# Altium PCB RUMBA_plus.PcbDoc (part 1 of 3) (continued)
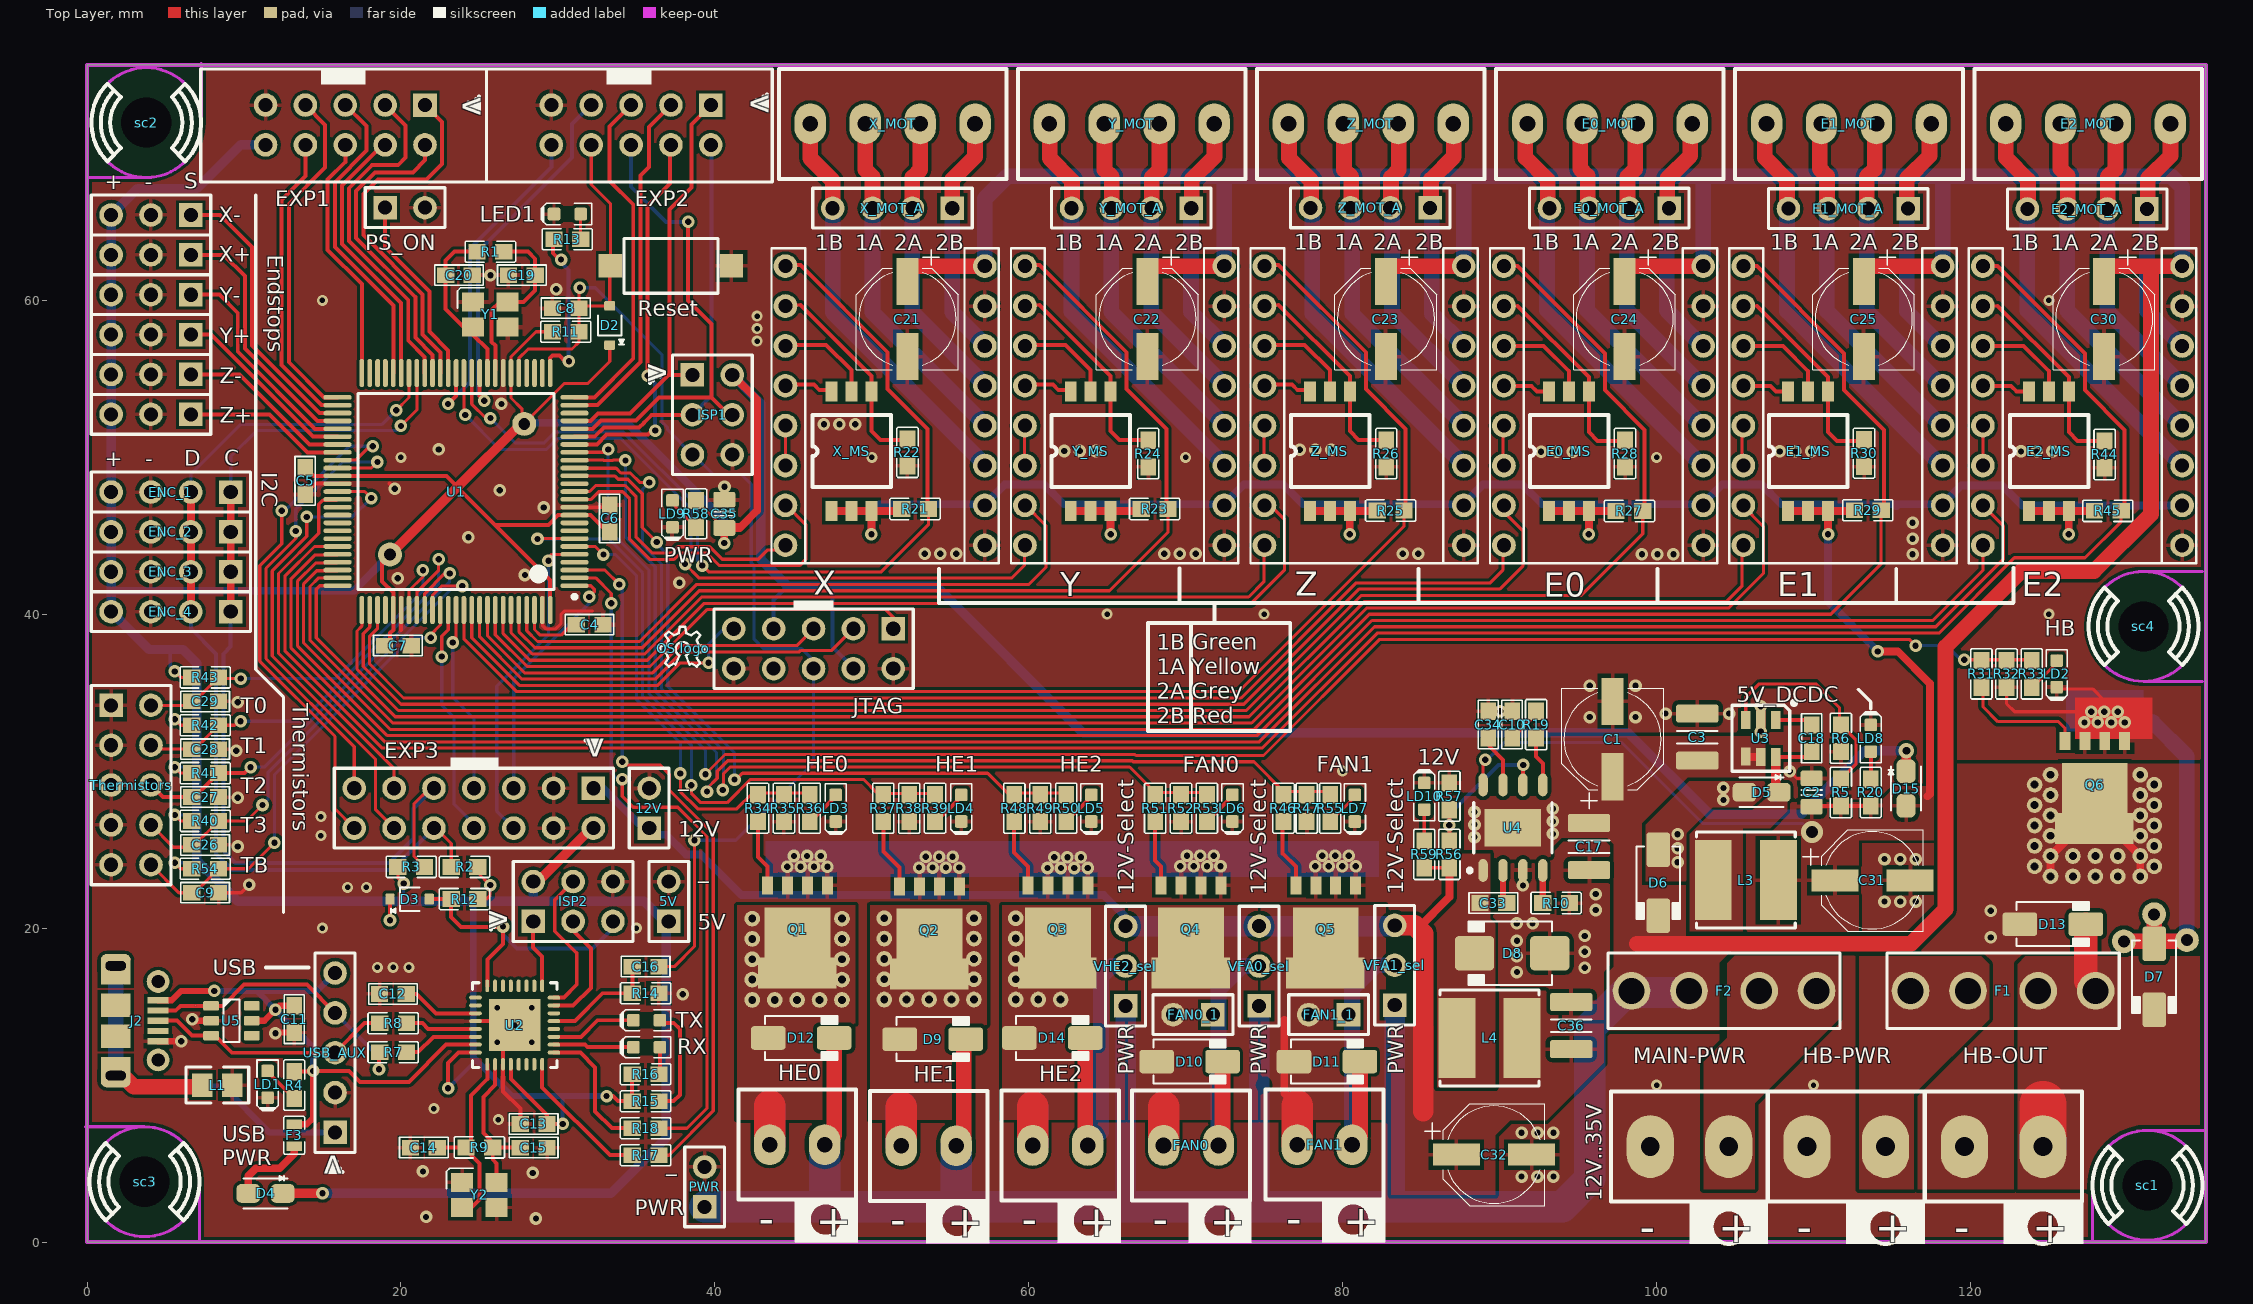
[diagram p0: Top Layer view]
## Components (designator, comment, footprint, x,y, rotation, side; value= is the part's Value field where it differs from the comment) (continued)
X "A4988BREAKOUT" A4988BREAKOUT 44.499,62.176 r270 top
X+ "Header 3" HDR1X3 6.612,62.898 r180 top
X- "Header 3" HDR1X3 6.612,65.438 r180 top
X_MOT "" "TERM4 3.5MM" 46.081,71.244 r0 top
X_MOT_A "Header 4" HDR1X4 55.126,65.87 r180 top
X_MS "SW DIP-3" "DIPSW SO6" 47.436,46.584 r90 top
Y "A4988BREAKOUT" A4988BREAKOUT 59.757,62.176 r270 top
Y1 "16MHz" "3525 SMD CRYSTAL" 25.7,59.1 r0 top
Y2 "16MHz" "3525 SMD CRYSTAL" 25,3 r0 top
Y+ "Header 3" HDR1X3 6.612,57.818 r180 top
Y- "Header 3" HDR1X3 6.612,60.358 r180 top
Y_MOT "" "TERM4 3.5MM" 61.313,71.244 r0 top
Y_MOT_A "Header 4" HDR1X4 70.35,65.87 r180 top
Y_MS "SW DIP-3" "DIPSW SO6" 62.676,46.584 r90 top
Z "A4988BREAKOUT" A4988BREAKOUT 75.016,62.176 r270 top
Z+ "Header 3" HDR1X3 6.612,52.738 r180 top
Z- "Header 3" HDR1X3 6.612,55.278 r180 top
Z_MOT "" "TERM4 3.5MM" 76.546,71.244 r0 top
Z_MOT_A "Header 4" HDR1X4 85.574,65.895 r180 top
Z_MS "SW DIP-3" "DIPSW SO6" 77.916,46.584 r90 top

## Footprints (in the part's own frame and the unit in brackets; to place one, negate y for a bottom-side part, rotate by r counter-clockwise, add the part's x,y. Pads: shape width x height; smd on the part's side, far side on the other; paste and mask are expansions set on the pad)
32M1-A_N [mm] "QFN, 32-Leads, Body 5x5mm, Pitch 0.5mm, Thermal Pad 3.3x3.3mm, IPC Medium Density"
  oval 0.8x0.25 smd: 1(-2.5,1.75) 2(-2.5,1.25) 3(-2.5,0.75) 4(-2.5,0.25) 5(-2.5,-0.25) 6(-2.5,-0.75) 7(-2.5,-1.25) 8(-2.5,-1.75) 17(2.5,-1.75) 18(2.5,-1.25) 19(2.5,-0.75) 20(2.5,-0.25) 21(2.5,0.25) 22(2.5,0.75) 23(2.5,1.25) 24(2.5,1.75)
  oval 0.25x0.8 smd: 9(-1.75,-2.5) 10(-1.25,-2.5) 11(-0.75,-2.5) 12(-0.25,-2.5) 13(0.25,-2.5) 14(0.75,-2.5) 15(1.25,-2.5) 16(1.75,-2.5) 25(1.75,2.5) 26(1.25,2.5) 27(0.75,2.5) 28(0.25,2.5) 29(-0.25,2.5) 30(-0.75,2.5) 31(-1.25,2.5) 32(-1.75,2.5)
  rect 3.3x3.3 smd: 33(0,0)
  silkscreen extent -2.7,-2.7 2.7,2.7, body extent -2.55,-2.55 2.55,2.55, height 1
"3525 SMD CRYSTAL" [mm]
  rect 1.4x1.2 smd: 1(-1.1,-0.8) 2(1.1,-0.8) 3(1.1,0.8) 4(-1.1,0.8)
  silkscreen extent -2.1,0.4 -0.4,1.7, body extent -1.6,-1.24 1.6,1.24, height 0.8
A4988BREAKOUT [mm]
  round 1.51 hole 0.9: 1(0,0) 2(2.54,0) 3(5.08,0) 4(7.62,0) 5(10.16,0) 6(12.7,0) 7(15.24,0) 8(17.78,0) 9(17.78,12.7) 10(15.24,12.7) 11(12.7,12.7) 12(10.16,12.7) 13(7.62,12.7) 14(5.08,12.7) 15(2.54,12.7) 16(0,12.7)
  silkscreen extent -1.14,-0.89 18.92,13.59, body extent -1.67,-1.27 19.45,13.97, height 8.5
"CAP 1608-0603" [mm]
  rect 1.1x1 smd: 1(-0.85,0) 2(0.85,0)
  silkscreen extent -1.55,-0.65 1.55,0.65, body extent -0.8,-0.4 0.8,0.4, height 0.4
"Cap 1608-0603" [mm]
  rect 1.1x1 smd: 1(-0.85,0) 2(0.85,0)
  silkscreen extent -1.55,-0.65 1.55,0.65, body extent -0.8,-0.4 0.8,0.4, height 0.4
"CAP 3225-1210" [mm] "Chip Capacitor, Body 3.2x2.5mm, EIA 1210, IPC Medium Density"
  round 0.508 on Mech15: 0(0,0)
  rrect25% 1.15x2.7 smd: 1(-1.5,0) 2(1.5,0)
  silkscreen extent -0.4,-1.3 0.4,1.3, body extent -1.8,-1.4 1.8,1.4, height 2.19
"CAP EL PANASONIC" [mil]
  rect 55x118 smd: 1(0,190.97) 2(0,1.97)
  silkscreen extent -128,-31 127,271, body extent -134,-57 134,250, height 217
CAPC2012X135N [mm] "Chip Capacitor, Body 2.0x1.2mm, EIA 0805, IPC Medium Density"
  round 0.254 on Mech15: 0(0,0)
  rrect25% 1x1.4 smd: 1(-0.9,0) 2(0.9,0)
  Top Layer pour cut-out: -0.675,0.7 -0.475,0.9 0.475,0.9 0.675,0.7 0.675,-0.7 0.475,-0.9 -0.475,-0.9 -0.675,-0.7
  silkscreen extent -0.15,-0.65 0.15,0.65, body extent -1.1,-0.72 1.1,0.73, height 1.34
DIOM2616X08N [mm] "Molded Diode, 2-Leads, Body 2.60x1.60mm, IPC Medium Density"
  rrect50% 1.5x1.2 smd: A(1.1,0) K(-1.1,0)
  silkscreen extent -1.4,-1.11 1.4,0.95, body extent -1.35,-0.85 1.35,0.85, height 0.85
"DIPSW SO6" [mil]
  rect 50x30 smd: 1(0,0) 2(0,-50) 3(0,-100) 4(300,-100) 5(300,-50) 6(300,0)
  silkscreen extent 60,-149 240,48, body extent 19,-148 283,50, height 60
DO-214AA [mm] "JEDEC DO214 variation AA. SMB"
  round 0.508 on Mech15: 0(0,0)
  rrect25% 2.5x2.2 smd: A(-2.4,0) K(2.4,0)
  silkscreen extent -2.54,-2.03 2.79,2.03, body extent -2.8,-1.97 2.8,1.98, height 2.62
DO-214AC [mm] "JEDEC DO214 variation AC. SMA"
  round 0.508 on Mech15: 0(0,0)
  rrect25% 2.2x1.5 smd: A(-2.1,0) K(2.1,0)
  silkscreen extent -2.3,-1.4 2.3,1.4, body extent -2.6,-1.3 2.6,1.3, height 2.42
"FUSEHOLDER - BK-6013 - MINI ATC ATO BLADE 15A" [mm]
  round 2.4 hole 1.65: 0(-5.895,0) 0(-2.235,0) 1(2.235,0) 1(5.895,0)
  silkscreen extent -7.4,-2.4 7.4,2.4, body extent -7.4,-2.4 7.4,2.4, height 17.8
HDR1X2 [mm]
  rect 1.5x1.5 hole 0.9: 1(0,0)
  round 1.5 hole 0.9: 2(2.54,0)
  silkscreen extent -1.27,-1.27 3.81,1.27, body extent -1.27,-1.27 3.81,1.27, height 8.6
HDR1X3 [mm]
  rect 1.5x1.5 hole 0.9: 1(0,0)
  round 1.5 hole 0.9: 2(2.54,0) 3(5.08,0)
  silkscreen extent -1.27,-1.27 6.35,1.27, body extent -1.27,-1.27 6.35,1.27, height 8.6
HDR1X4 [mm]
  rect 1.5x1.5 hole 0.9: 1(0,0)
  round 1.5 hole 0.9: 2(2.54,0) 3(5.08,0) 4(7.62,0)
  silkscreen extent -1.27,-1.27 8.89,1.27, body extent -1.27,-1.27 8.89,1.27, height 8.6
HDR1X5-HEADER [mm]
  rect 1.5x1.5 hole 0.9: 1(0,0)
  round 1.5 hole 0.9: 2(2.54,0) 3(5.08,0) 4(7.62,0) 5(10.16,0)
  silkscreen extent -1.27,-1.27 11.43,1.27, body extent -1.27,-1.27 11.43,1.27, height 8.6
HDR2X3 [mm]
  rect 1.5x1.5 hole 0.9: 1(0,0)
  round 1.5 hole 0.9: 2(0,2.54) 3(2.54,0) 4(2.54,2.54) 5(5.08,0) 6(5.08,2.54)
  silkscreen extent -1.27,-1.27 6.35,3.81, body extent -1.27,-1.27 6.35,3.81, height 8.6
HDR2X5 [mm]
  rect 1.5x1.5 hole 0.9: 1(0,0)
  round 1.5 hole 0.9: 2(0,2.54) 3(2.54,0) 4(2.54,2.54) 5(5.08,0) 6(5.08,2.54) 7(7.62,0) 8(7.62,2.54) 9(10.16,0) 10(10.16,2.54)
  silkscreen extent -1.27,-1.27 11.43,3.81, body extent -1.27,-1.27 11.43,3.81, height 8.6
"HDR2X5_EXP INER ONLY\" [mm]
  rect 1.5x1.5 hole 0.9: 1(4.004,2.302)
  round 1.5 hole 0.9: 2(4.004,4.842) 3(6.544,2.302) 4(6.544,4.842) 5(9.084,2.302) 6(9.084,4.842) 7(11.624,2.302) 8(11.624,4.842) 9(14.164,2.302) 10(14.164,4.842)
  silkscreen extent 0.09,0.01 18.29,7.21, body extent 2.73,1.03 15.43,6.11, height 8.6
HDR2X7 [mm]
  rect 1.5x1.5 hole 0.9: 1(0,0)
  round 1.5 hole 0.9: 2(0,2.54) 3(2.54,0) 4(2.54,2.54) 5(5.08,0) 6(5.08,2.54) 7(7.62,0) 8(7.62,2.54) 9(10.16,0) 10(10.16,2.54) 11(12.7,0) 12(12.7,2.54) 13(15.24,0) 14(15.24,2.54)
  silkscreen extent -1.27,-1.27 16.51,3.81, body extent -1.27,-1.27 16.51,3.81, height 8.6
"LED 1608-0603" [mm]
  round 0.254 on Mech15: 0(0,0)
  rrect25% 0.8x0.8 smd: 1(-0.85,0) 2(0.85,0)
  Top Layer pour cut-out: -0.5,0.5 0.5,0.5 0.5,-0.5 -0.5,-0.5
  silkscreen extent -1.55,-0.67 1.68,0.67, body extent -0.8,-0.4 0.8,0.4, height 0.75
LFPACK [mm]
  rect 0.7x1.15 smd: 1(3.81,0) 3(0,0) 3(1.27,0) 3(2.54,0)
  rect 4.2x3.2 smd: 2(1.905,3)
  rect 5x2 smd: 2(1.93,5.588)
  body extent -0.58,-0.33 4.42,6.14, height 1.1
"Micro-USB B Molex 105017-0001" [mm]
  round 1.45 hole 0.85: 4(-2.5,0) 5(2.5,0)
  rect 1.5x1.9 smd: 6(-1,-2.7) 7(1,-2.7) SHIELD(-3.05,-2.7) SHIELD(3.05,-2.7)
  rect 0.4x1.35 smd: D+(0,0) D-(-0.65,0) GND(1.3,0) ID(0.65,0) VBUS(-1.3,0)
  rrect50% 1.5x1.9 hole 0.6 slot 1.3 at 90 deg: SHIELD(-3.5,-2.7) SHIELD(3.5,-2.7)
  body extent -4.1,-5.25 4.1,0.15, height 2.68
"OS LOGO TOP" [mm]
  silkscreen extent -1.45,-1.17 1.37,1.37
"PTC Fuse1608-0603" [mm]
  rect 0.6x1 smd: 1(-0.7,0) 2(0.7,0)
  silkscreen extent -1.2,-0.67 1.2,0.67, body extent -0.82,-0.42 0.83,0.43, height 0.48
"RES 1608-0603" [mm]
  rect 1.1x1 smd: 1(-0.85,0) 2(0.85,0)
  silkscreen extent -1.6,-0.68 1.6,0.67, body extent -0.77,-0.38 0.82,0.43, height 0.4
"RES 2012-0805" [mm]
  rect 1.3x1.5 smd: 1(-0.95,0) 2(0.95,0)
  silkscreen extent -2,-1.15 2,1.15, body extent -1,-0.63 1,0.63, height 1.5
SOD323 [mm] "SOD-323; 2 Leads; Body 1.8 x 1.35 mm, (LxW)"
  round 0.508 on Mech15: 0(0,0)
  rrect25% 0.6x0.7 smd: A(1.25,0) K(-1.25,0)
  silkscreen extent -1.2,-0.9 0.64,0.75, body extent -1.3,-0.68 1.3,0.68, height 1.1
SOIC127P600X170_HS-9N [mm] "SOIC, 8-Leads, Body 4.90x3.90mm, Pitch 1.27mm, Thermal Pad 3.60x2.41mm, IPC Medium Density"
  oval 1.45x0.6 smd: 1(-2.725,1.905) 2(-2.725,0.635) 3(-2.725,-0.635) 4(-2.725,-1.905) 5(2.725,-1.905) 6(2.725,-0.635) 7(2.725,0.635) 8(2.725,1.905)
  rect 2.41x3.6 smd: 9(0,0)
  silkscreen extent -2.85,-2.5 1.6,2.88, body extent -2.93,-2.45 3.07,2.45, height 1.75
SOT23-6 [mm]
  round 0.5 on Mech15: 0(0,0)
  rrect25% 1x0.6 smd: 1(-1.3,0.95) 2(-1.3,0) 3(-1.3,-0.95) 4(1.3,-0.95) 5(1.3,0) 6(1.3,0.95)
  silkscreen extent -0.51,-1.35 0.51,1.35, body extent -1.4,-1.45 1.4,1.45, height 1.44
SOT23-6N [mm]
  rect 1.15x0.6 smd: 1(-1.175,0.95) 2(-1.175,0) 3(-1.175,-0.95) 4(1.175,-0.95) 5(1.2,0) 6(1.2,0.95)
  silkscreen extent -2.37,-1.82 2.1,2.25, body extent -0.85,-1.5 0.85,1.5, height 1.45
"SRAF 3MM - RUPA 3.2" [mm]
  round 3 hole 3.2: 0(0,0)
  silkscreen extent -3.5,-3.5 3.5,3.5
"Sraf 3mm - rupa 3.5" [mm]
  round 3 hole 3.2: 0(0,0)
  silkscreen extent -3.5,-3.5 3.5,3.5
"SRAF 3MM - RUPA 3.5" [mm]
  round 3 hole 3.2: 0(0,0)
  silkscreen extent -3.5,-3.5 3.5,3.5
"SRN6045TA SMD Inductor" [mm]
  rect 5.1x2.35 smd: 1(0,2.075) 2(0,-2.075)
  silkscreen extent -3.05,-3.15 3.05,3.15, body extent -3,-3 3,3, height 4.25
"SW-PB SMD 2PIN" [mm]
  rect 1.5x1.5 smd: 1(-3.85,0) 2(3.85,0)
  silkscreen extent -3,-1.75 3,1.75, body extent -4,-1.75 4,1.75, height 4.3
"TERM2 3.5MM" [mm]
  oval 2x2.6 hole 1: 1(0,0) 2(3.5,0)
  silkscreen extent -2,-3.5 5.5,3.5, body extent -1.85,-3.8 5.26,3.49, height 8.51
"TERM2 5MM" [mm]
  oval 3x4 hole 1.2: 1(0,0) 2(5,0)
  silkscreen extent -2.5,-3.5 7.5,3.5, body extent -2.54,-4.9 7.47,5, height 14.6
"TERM4 3.5MM" [mm]
  oval 2x2.6 hole 1: 1(0,0) 2(3.5,0) 3(7,0) 4(10.5,0)
  silkscreen extent -2,-3.5 12.5,3.5, body extent -1.73,-3.81 12.24,3.48, height 8.51
TQFP100N [mm]
  oval 1.8x0.3 smd: 1(-7.55,6) 2(-7.55,5.5) 3(-7.55,5) 4(-7.55,4.5) 5(-7.55,4) 6(-7.55,3.5) 7(-7.55,3) 8(-7.55,2.5) 9(-7.55,2) 10(-7.55,1.5) 11(-7.55,1) 12(-7.55,0.5) 13(-7.55,0) 14(-7.55,-0.5) 15(-7.55,-1) 16(-7.55,-1.5) 17(-7.55,-2) 18(-7.55,-2.5) 19(-7.55,-3) 20(-7.55,-3.5) 21(-7.55,-4) 22(-7.55,-4.5) 23(-7.55,-5) 24(-7.55,-5.5) 25(-7.55,-6) 51(7.55,-6) 52(7.55,-5.5) 53(7.55,-5) 54(7.55,-4.5) 55(7.55,-4) 56(7.55,-3.5) 57(7.55,-3) 58(7.55,-2.5) 59(7.55,-2) 60(7.55,-1.5) 61(7.55,-1) 62(7.55,-0.5) 63(7.55,0) 64(7.55,0.5) 65(7.55,1) 66(7.55,1.5) 67(7.55,2) 68(7.55,2.5) 69(7.55,3) 70(7.55,3.5) 71(7.55,4) 72(7.55,4.5) 73(7.55,5) 74(7.55,5.5) 75(7.55,6)
  oval 0.3x1.8 smd: 26(-6,-7.55) 27(-5.5,-7.55) 28(-5,-7.55) 29(-4.5,-7.55) 30(-4,-7.55) 31(-3.5,-7.55) 32(-3,-7.55) 33(-2.5,-7.55) 34(-2,-7.55) 35(-1.5,-7.55) 36(-1,-7.55) 37(-0.5,-7.55) 38(0,-7.55) 39(0.5,-7.55) 40(1,-7.55) 41(1.5,-7.55) 42(2,-7.55) 43(2.5,-7.55) 44(3,-7.55) 45(3.5,-7.55) 46(4,-7.55) 47(4.5,-7.55) 48(5,-7.55) 49(5.5,-7.55) 50(6,-7.55) 76(6,7.55) 77(5.5,7.55) 78(5,7.55) 79(4.5,7.55) 80(4,7.55) 81(3.5,7.55) 82(3,7.55) 83(2.5,7.55) 84(2,7.55) 85(1.5,7.55) 86(1,7.55) 87(0.5,7.55) 88(0,7.55) 89(-0.5,7.55) 90(-1,7.55) 91(-1.5,7.55) 92(-2,7.55) 93(-2.5,7.55) 94(-3,7.55) 95(-3.5,7.55) 96(-4,7.55) 97(-4.5,7.55) 98(-5,7.55) 99(-5.5,7.55) 100(-6,7.55)
  silkscreen extent -7.68,-6.25 6.25,6.82, body extent -7.98,-8.03 8.02,7.97, height 1.11

## Part data
5V 12V FAN0_1 FAN1_1 PS_ON PWR: "Header, 2-Pin", Manufacturer 1="Generic Header", Note="Approved sub OK"
C1 C21 C22 C23 C24 C25 C30 C31 C32: library part CapE-6.3-100uF-35V, "CAP ALUM 100UF 20% 35V SMD", Supplier Part Number 1=PCE5016CT-ND, Note="Approved sub OK", Published=8-Jun-2000, Publisher="Altium Limited", Revision="July-2002: Re-released for DXP Platform.", Supplier 1=Digi-Key
C2 C35: library part "CapC-0805-4.7uF 10V", "CAP CER 4.7UF 10V X7R 0805", Package=0805, Supplier Part Number 1=445-14527-1-ND, TOLERANCE=10%, Voltage=10V, Note="Approved sub OK", Revision="July-2002: Re-released for DXP Platform.", Supplier 1=Digi-Key, Type=X7R
C3 C17 C36: library part CapC-1210-4.7uF-50V, "CAP CER 4.7UF 50V X7R 1210", Supplier Part Number 1=399-6785-1-ND, Note="Approved sub OK", Published=8-Jun-2000, Publisher="Altium Limited", Revision="July-2002: Re-released for DXP Platform.", Supplier 1=Digi-Key
C4 C5 C6 C7 C10 C11 C13 C16 C18 C33 C34: library part CapC-0603-100nF, "CAP CER 0.1UF 50V X7R 0603", Supplier Part Number 1=311-1344-1-ND, Note="Approved sub OK", Published=8-Jun-2000, Publisher="Altium Limited", Revision="July-2002: Re-released for DXP Platform.", Supplier 1=Digi-Key
C8 C14 C15 C19 C20: library part CapC-0603-22pF, "CAP CER 22PF 50V X7R 0603", Supplier Part Number 1=478-6204-1-ND, Note="Approved sub OK", Published=8-Jun-2000, Publisher="Altium Limited", Revision="July-2002: Re-released for DXP Platform.", Supplier 1=Digi-Key
C9 C12 C26 C27 C28 C29: library part "CapC-0603-1uF 50V", "CAP CER 1UF 16V X7R 0603", Package=0603, Supplier Part Number 1=587-1241-1-ND, TOLERANCE=10%, Voltage=16V, Note="Approved sub OK", Revision="July-2002: Re-released for DXP Platform.", Supplier 1=Digi-Key, Type=X7R
D2 D3: library part DIODE_75V_500mW, "DIODE GEN PURP 75V 150MA SOD323", Package / Case=SOD323, Ratings="75V; 300mA; 0.5W", Supplier Part Number 1=1N4148WXTPMSCT-ND, Note="Approved sub OK", Supplier 1=Digi-Key
D4 D5 D15: library part "Diode Schottky 2A 40V", "DIODE SCHOTTKY 40V 2A SOD123F", Supplier Part Number 1=SS24FLCT-ND, Note="Approved sub OK", Revision="July-2002: Re-released for DXP Platform.", Supplier 1=Digi-Key
D6 D7 D9 D10 D11 D12 D13 D14: library part DIODE_100V_1.5A_SMA, "DIODE GEN PURP 100V 1.5A SMA", Package / Case="DO-214AC, SMA", Ratings="100V; 1.5A", Supplier Part Number 1=S2BA-FDICT-ND, Diode Type=Standard, Material=Si, Note="Approved sub OK", SCDType=source, Supplier 1=Digi-Key
D8: library part "Diode Schottky - 40V 4A - SSB44-E3", "DIODE SCHOTTKY 40V 4A DO214AA", Supplier Part Number 1=SSB44-E3/52TGICT-ND, Note="Approved sub OK", Revision="July-2002: Re-released for DXP Platform.", Supplier 1=Digi-Key
E0 E1 E2 X Y Z: Supplier Part Number 1=S7006-ND, Note="Approved sub OK", Supplier 1=Digi-Key
E0_MOT E1_MOT E2_MOT X_MOT Y_MOT Z_MOT: library part ScrewTerminal-3.5mm-4Way, "TERM BLK 4POS SIDE ENT 3.5MM PCB", Supplier Part Number 1=277-5744-ND, LatestRevisionDate=17-Jul-2002, LatestRevisionNote="Re-released for DXP Platform.", Note="Approved sub OK", Publisher="Altium Limited", Supplier 1=Digi-Key
E0_MOT_A E1_MOT_A E2_MOT_A X_MOT_A Y_MOT_A Z_MOT_A: library part "Header 4_1", "Header, 4-Pin", Manufacturer 1="Generic Header", Note="Approved sub OK"
E0_MS E1_MS E2_MS X_MS Y_MS Z_MS: "SWITCH SLIDE DIP SPST 25MA 24V", Supplier Part Number 1=732-3853-1-ND, Note="Approved sub OK", Revision="July-2002: Re-released for DXP Platform.", Supplier 1=Digi-Key
  E0_MS E1_MS X_MS Y_MS Z_MS: Published=24-Mar-1999, Publisher="Altium Limited"
ENC_1 ENC_2 ENC_3 ENC_4: "Header, 4-Pin", Manufacturer 1="Generic Header", Note="Approved sub OK"
EXP1 EXP2 JTAG Thermistors: "Header, 5-Pin, Dual row", Manufacturer 1="Generic Header", Note="Approved sub OK"
EXP3: "Header, 7-Pin, Dual row", Manufacturer 1="Generic Header", Note="Approved sub OK"
F1 F2: library part "Fuseholder - Mini ATC ATO 15A", "FUSE HOLDER BLADE PCB", Supplier Part Number 1=BK-6013-ND, Note="Approved sub OK", Supplier 1=Digi-Key
F3: library part "Fuse - 15V 200mA Trip PTC SMD 0603", "PTC RESET FUSE 9V 200MA 0603", Package / Case="0603 (1608 metric)", Ratings="160mA; 63VDC; slow-blow", Supplier Part Number 1=507-1821-1-ND, Note="Approved sub OK", Supplier 1=Digi-Key
FAN0 FAN1 HE0 HE1 HE2: library part ScrewTerminal-3.5mm-2Way, "TERM BLK 2POS SIDE ENT 3.5MM PCB", Supplier Part Number 1=277-5719-ND, Note="Approved sub OK", Supplier 1=Digi-Key
HB-OUT HB-PWR MAIN-PWR: library part ScrewTerminal-5mm-2Way, "TERM BLK 2POS SIDE ENTRY 5MM PCB", Supplier Part Number 1=277-6405-ND, Supplier 1=Digi-Key
ISP1 ISP2: "Header, 3-Pin, Dual row", Manufacturer 1="Generic Header", Note="Approved sub OK"
J2: library part "Micro-USB B Socket", "CONN RCPT USB2.0 MICRO B SMD R/A", Supplier Part Number 1=WM1399CT-ND, Note="Approved sub OK", Supplier 1=Digi-Key
L1: library part "Ferrite Bead SMD 0805", "FERRITE BEAD 220 OHM 0805 1LN", Supplier Part Number 1=490-1054-1-ND, Note="Approved sub OK", Revision="July-2002: Re-released for DXP Platform.", Supplier 1=Digi-Key
L3: library part "Inductor SMD 33uH 2.5A", "FIXED IND 33UH 1.8A 145 MOHM SMD", Supplier Part Number 1=SRN6045TA-330MCT-ND, Note="Approved sub OK", Revision="July-2002: Re-released for DXP Platform.", Supplier 1=Digi-Key
L4: library part "Inductor SMD 33uH 2.5A", "FIXED IND 4.7UH 4.5A 26 MOHM SMD", Supplier Part Number 1=SRN6045TA-4R7MCT-ND, Note="Approved sub OK", Published=24-Mar-1999, Publisher="Altium Limited", Revision="July-2002: Re-released for DXP Platform.", Supplier 1=Digi-Key
LD1 LD2 LD3 LD4 LD5 LD6 LD7 LD8 LD9 LD10: library part "LEDG  0603", "LED GREEN CLEAR CHIP SMD 0603", Supplier Part Number 1=160-1435-2-ND, Note="Approved sub OK", Supplier 1=Digi-Key
LED1 RX TX: library part "LEDY  0603", "LED YELLOW CLEAR CHIP SMD 0603", Supplier Part Number 1=160-1437-1-ND, Note="Approved sub OK", Supplier 1=Digi-Key
Q1 Q2 Q3 Q4 Q5: library part "MOSFET - BUK9Y21-40E", "MOSFET N-CH 40V 33A LFPAK", Supplier Part Number 1=1727-1123-1-ND, Supplier 1=Digi-Key
Q6: library part "MOSFET - PSMN1R8-40YLC", "MOSFET N-CH 40V 100A LFPAK", Supplier Part Number 1=1727-1052-1-ND, Supplier 1=Digi-Key
R1 R9: library part Res-0603-1M, "RES SMD 1M OHM 1% 1/10W 0603", Supplier Part Number 1=311-1.00MHRDKR-ND, Note="Approved sub OK", Published=8-Jun-2000, Publisher="Altium Limited", Revision="July-2002: Re-released for DXP Platform.", Supplier 1=Digi-Key
R2 R3 R6 R11 R12 R21 R23 R25 R27 R29 R45 R57: library part Res-0603-10K, "RES SMD 10K OHM 1% 1/10W 0603", Supplier Part Number 1=311-10.0KHRCT-ND, Note="Approved sub OK", Published=8-Jun-2000, Publisher="Altium Limited", Revision="July-2002: Re-released for DXP Platform.", Supplier 1=Digi-Key
R4 R13 R14 R15 R16 R17 R18 R20 R33 R36 R39 R50 R53 R55 R58: library part Res-0603-1K, "RES SMD 1K OHM 1% 1/10W 0603", Supplier Part Number 1=311-1.00KHRCT-ND, Note="Approved sub OK", Published=8-Jun-2000, Publisher="Altium Limited", Revision="July-2002: Re-released for DXP Platform.", Supplier 1=Digi-Key
R5 R19: library part Res-0603-10K, "RES SMD 54.9K OHM 1% 1/10W 0603", Supplier Part Number 1=311-54.9KHRCT-ND, Note="Approved sub OK", Published=8-Jun-2000, Publisher="Altium Limited", Revision="July-2002: Re-released for DXP Platform.", Supplier 1=Digi-Key
R7 R8 R31 R34 R37 R46 R48 R51: library part Res-0603-22R, "RES SMD 22 OHM 1% 1/10W 0603", Supplier Part Number 1=311-22.0HRCT-ND, Note="Approved sub OK", Published=8-Jun-2000, Publisher="Altium Limited", Revision="July-2002: Re-released for DXP Platform.", Supplier 1=Digi-Key
R10 R22 R24 R26 R28 R30 R32 R35 R38 R44 R47 R49 R52: library part Res-0603-100K, "RES SMD 100K OHM 1% 1/10W 0603", Supplier Part Number 1=311-100KHRCT-ND, Note="Approved sub OK", Published=8-Jun-2000, Publisher="Altium Limited", Revision="July-2002: Re-released for DXP Platform.", Supplier 1=Digi-Key
R40 R41 R42 R43 R54 R59: library part Res-0603-4K7, "RES SMD 4.7K OHM 1% 1/10W 0603", Supplier Part Number 1=311-4.70KHRCT-ND, Note="Approved sub OK", Published=8-Jun-2000, Publisher="Altium Limited", Revision="July-2002: Re-released for DXP Platform.", Supplier 1=Digi-Key
R56: library part Res-0603-1K, "RES SMD 140K OHM 1% 1/10W 0603", Supplier Part Number 1=311-140KHRCT-ND, Note="Approved sub OK", Published=8-Jun-2000, Publisher="Altium Limited", Revision="July-2002: Re-released for DXP Platform.", Supplier 1=Digi-Key
Reset: "SWITCH TACTILE SPST-NO 0.05A 12V", Supplier Part Number 1=679-2396-1-ND, Note="Approved sub OK", Supplier 1=Digi-Key
U1: "IC MCU 8BIT 256KB FLASH 100TQFP", Supplier Part Number 1=ATMEGA2560-16AU-ND, Supplier 1=Digi-Key
U2: "IC MCU 8BIT 16KB FLASH 32VQFN", Supplier Part Number 1=ATMEGA16U2-MU-ND, Supplier 1=Digi-Key
U3: library part "Buck Regulator AOZ1282CI", "IC REG BUCK ADJ 1.2A SOT23-6", Supplier Part Number 1=785-1613-1-ND, Supplier 1=Digi-Key
U4: library part "Regulator - AOZ1284 4A Buck Regulator", "IC REG BUCK ADJ 4A 8SO", Supplier Part Number 1=785-1689-1-ND, Supplier 1=Digi-Key
U5: library part "USBLC6-4SC6 USB ESD Protection", "TVS DIODE 5.25V 17V SOT23-6", Supplier Part Number 1=497-4492-1-ND, Note="Approved sub OK", Supplier 1=Digi-Key
USB_AUX: library part "Header 5x1", "Header, 5-Pin", Manufacturer 1="Generic Header", Note="Approved sub OK"
VFA0_sel VFA1_sel VHE2_sel X+ X- Y+ Y- Z+ Z-: "Header, 3-Pin", Manufacturer 1="Generic Header", Note="Approved sub OK"
Y1 Y2: library part XTAL_2, "CRYSTAL 16.0000MHZ 18PF SMD", Supplier Part Number 1=SER3686CT-ND, Note="Approved sub OK", Supplier 1=Digi-Key
"OS logo" sc1 sc2 sc3 sc4: Note="Approved sub OK"

## Free pads (board coordinates)
  round 1.524 hole 0.762: 2(27.855,52.128) 3(19.3,43.8) 5(133.789,19.235) 6(129.776,19.159) 8(131.707,20.883)
  round 1 hole 0.5: 2(42.384,15.425) 2(42.384,16.721) 2(42.384,18.016) 2(42.384,19.312) 2(42.384,20.607) 2(43.812,15.425) 2(45.241,15.425) 2(46.67,15.425) 2(48.099,15.425) 2(48.099,16.721) 2(48.099,18.016) 2(48.099,19.312) 2(48.099,20.607) 2(50.791,15.451) 2(50.791,16.746) 2(50.791,18.042) 2(50.791,19.337) 2(50.791,20.632) 2(52.22,15.451) 2(53.649,15.451) 2(55.077,15.451) 2(56.506,15.451) 2(56.506,16.746) 2(56.506,18.042) 2(56.506,19.337) 2(56.506,20.632) 2(59.173,15.451) 2(59.173,16.746) 2(59.173,18.042) 2(59.173,19.337) 2(59.173,20.632) 2(60.602,15.451) 2(62.031,15.451) 2(124.087,23.934) 2(124.087,25.236) 2(124.087,26.538) 2(124.087,27.84) 2(124.087,29.141) 2(125.103,23.299) 2(125.103,24.595) 2(125.103,25.89) 2(125.103,27.186) 2(125.103,28.481) 2(125.103,29.776) 2(126.531,23.299) 2(126.531,24.595) 2(127.96,23.299) 2(127.96,24.595) 2(129.389,23.299) 2(129.389,24.595) 2(130.818,23.299) 2(130.818,24.595) 2(130.818,25.89) 2(130.818,27.186) 2(130.818,28.481) 2(130.818,29.776) 2(131.707,23.934) 2(131.707,25.236) 2(131.707,26.538) 2(131.707,27.84) 2(131.707,29.141)

## Via types
v1: diameter 0.8, hole 0.4, Top Layer to Bottom Layer, tented both sides, 227 vias
v2: diameter 0.7, hole 0.35, Top Layer to Bottom Layer, tented both sides, 31 vias
v3: diameter 1, hole 0.5, Top Layer to Bottom Layer, tented both sides, 1 vias
v4: diameter 1.4, hole 0.75, Top Layer to Bottom Layer, 1 vias

## Nets (pads, with @x,y where several pads share a name; then routed paths per layer and width w, separated by ;. In a path a pad name is that pad's centre, name@x,y a point inside that pad or via, vN(x,y) a via of type N, cw(c..) or ccw(c..) an arc to the next point about the centre after c; other vN are vias at no path point)
5V_DCDC: C2.2 C31.1 D15.A E0.10 E0_MS.1 E0_MS.2 E0_MS.3 E1.10 E1_MS.1 E1_MS.2 E1_MS.3 E2.10 E2_MS.1 E2_MS.2 E2_MS.3 L3.2 R5.2 R20.2 R21.1 R23.1 R25.1 R27.1 R29.1 R45.1 U4.8 X.10 X_MS.1 X_MS.2 X_MS.3 Y.10 Y_MS.1 Y_MS.2 Y_MS.3 Z.10 Z_MS.1 Z_MS.2 Z_MS.3 | length 183
  Top Layer w0.2: Z_MS.1@77.798,46.652 Z_MS.1@77.916,46.652 ; U4.8@88.945,29.125 88.945,30.575 v1(89.092,30.722) ; E0_MS.1@93.03,46.584 E0_MS.1@93.148,46.584 ; E2_MS.1@123.61,46.584 E2_MS.1@123.728,46.584
  Top Layer w0.254: Z.10@87.536,46.936 Z.10@87.716,46.936 ; C2.2@109.684,27.793 R20.2@113.448,27.793
  Top Layer w0.5: X_MS.1@47.436,46.584 X_MS.2@48.706,46.584 X_MS.3@49.976,46.584 ; v1(49.976,45.1) X_MS.3@49.976,46.584 ; R21.1@51.906,46.708 51.782,46.584 X_MS.3@49.976,46.584 ; Y_MS.1@62.676,46.584 Y_MS.2@63.946,46.584 Y_MS.3@65.216,46.584 ; v1(65.216,45.1) Y_MS.3@65.216,46.584 ; R23.1@67.022,46.584 Y_MS.3@65.216,46.584 ; Z_MS.1@77.916,46.584 Z_MS.2@79.186,46.584 Z_MS.3@80.456,46.584 ; v1(80.456,45.1) Z_MS.3@80.456,46.584 ; R25.1@82.262,46.584 Z_MS.3@80.456,46.584 ; E0_MS.1@93.148,46.584 E0_MS.2@94.418,46.584 E0_MS.3@95.688,46.584 ; v1(95.688,45.1) E0_MS.3@95.688,46.584 ; R27.1@97.494,46.584 E0_MS.3@95.688,46.584 ; E1_MS.1@108.388,46.584 E1_MS.2@109.658,46.584 E1_MS.3@110.928,46.584 ; v1(110.928,45.1) E1_MS.3@110.928,46.584 ; R29.1@112.734,46.584 E1_MS.3@110.928,46.584 ; v1(114.1,37.633) 115.367,37.633 117.412,35.588 117.412,28.543 117.269,28.4 ; E2_MS.1@123.728,46.584 E2_MS.2@124.998,46.584 E2_MS.3@126.268,46.584 ; v1(126.268,45.1) E2_MS.3@126.268,46.584 ; R45.1@128.074,46.584 E2_MS.3@126.268,46.584
  Bottom Layer w0.2: v1(89.092,30.722) 89.217,30.722 90.331,31.836 97.769,31.836 102.939,26.667 109.332,26.667 v4@109.539,26.46
  Bottom Layer w0.5: v1(49.976,45.1) 49.976,46.481 50.5,47.005 57.199,47.005 58.462,48.268 60.968,48.268 62.231,47.005 72.439,47.005 73.702,48.268 76.208,48.268 77.471,47.005 87.679,47.005 88.942,48.268 91.448,48.268 92.711,47.005 102.919,47.005 104.182,48.268 106.688,48.268 107.951,47.005 115.425,47.005 ; v1(65.216,45.1) 65.216,46.729 ; v1(80.456,45.1) 80.456,46.729 ; v1(95.688,45.1) 95.688,46.729 ; 110.928,46.729 v1(110.928,45.1) 110.928,40.806 v1@114.101,37.633 ; 115.298,46.878 115.425,47.005 ; E1.10@118.151,46.936 119.414,48.199 ; E1.10@118.159,47.005 115.425,47.005 ; 119.514,48.199 122.019,48.199 123.282,46.936 E2.10@133.491,46.936 ; v1(126.268,45.1) 126.268,46.728
  other v4: 109.906,26.119